# Altium PCB MainMaster20230302.PcbDoc (part 1 of 2) (continued)
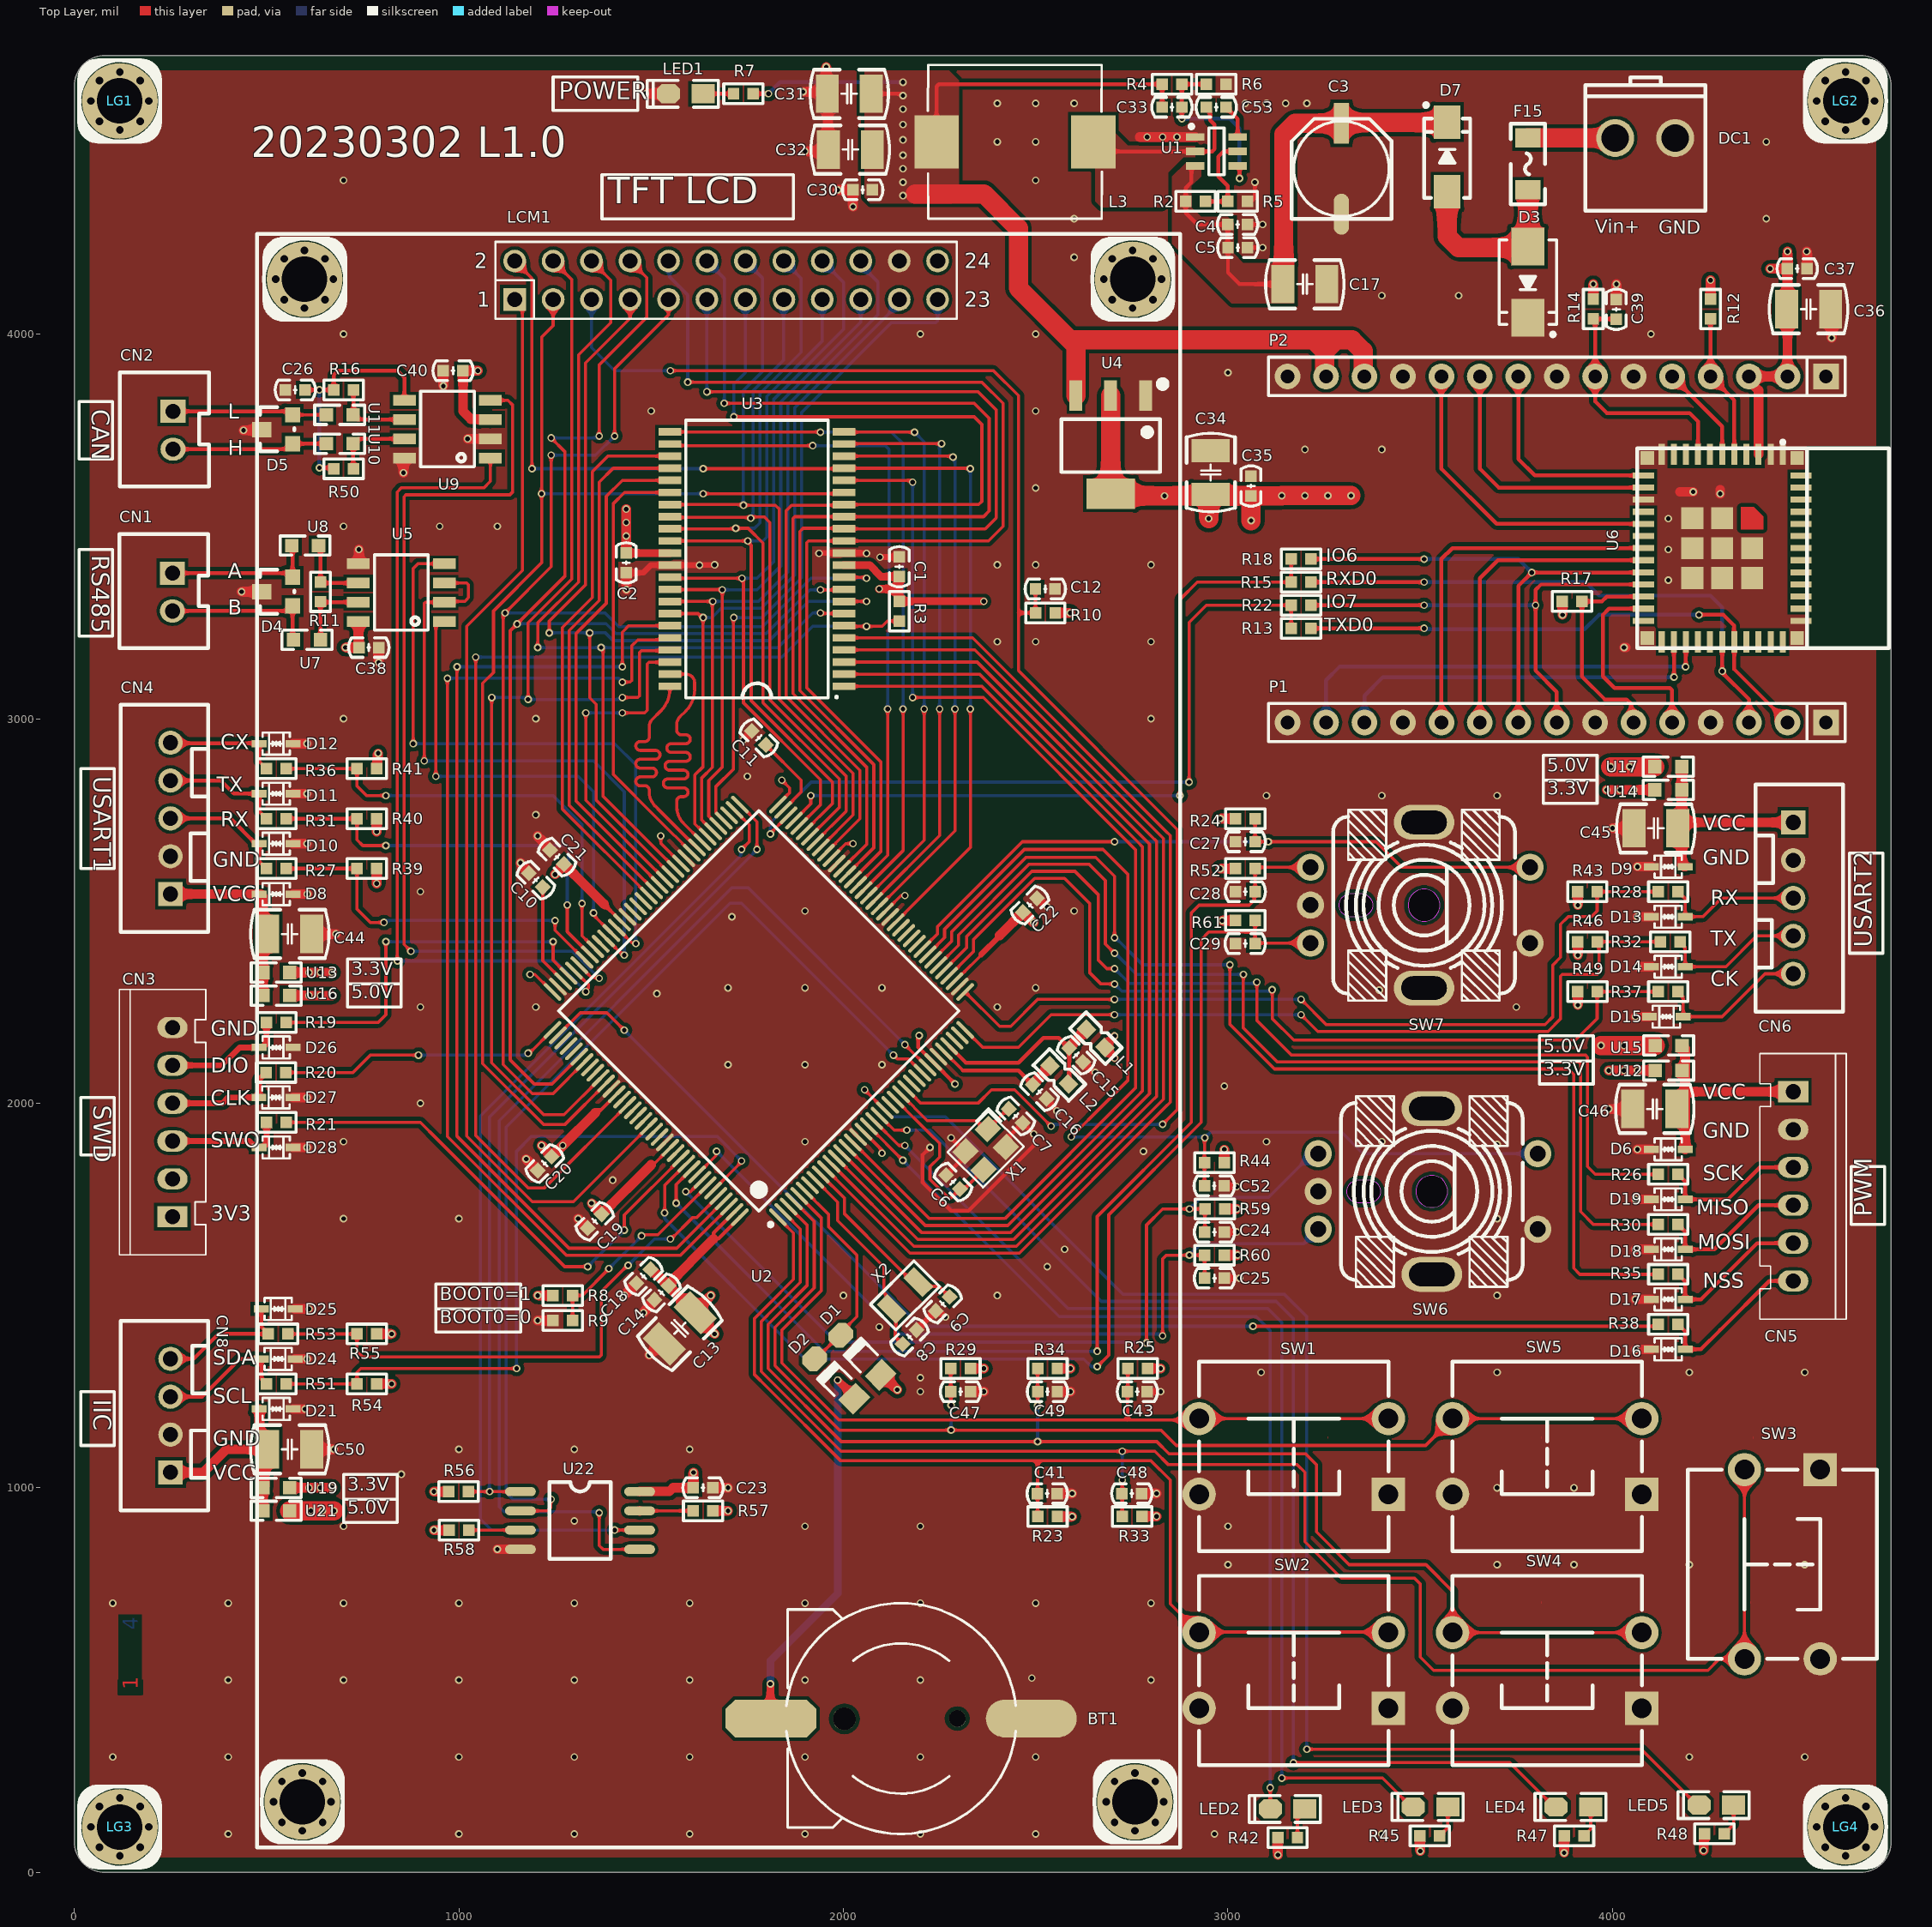
[diagram p0: Top Layer view]
## Footprints (in the part's own frame and the unit in brackets; to place one, negate y for a bottom-side part, rotate by r counter-clockwise, add the part's x,y. Pads: shape width x height; smd on the part's side, far side on the other; paste and mask are expansions set on the pad) (continued)
SMB [mm] "4.7*3.9*2.2mm(长宽高，不包括引脚）"
  rect 2.5x2.2 smd: 1(-2.35,0) 2(2.35,0)
  silkscreen extent -2.8,-1.9 3.57,1.9, body extent -2.63,-1.8 2.67,1.8, height 2.35
SOD-323_L1.8-W1.3-LS2.5-BI [mm]
  rect 0.985x0.49 smd mask+0.051: 1(-1.118,0) 2(1.118,0)
  silkscreen extent -0.9,-0.73 0.9,0.73, body extent -1.24,-0.63 1.24,0.62, height 0.88
SOIC8 [mil]
  oval 80x24 smd: 1(-155,75) 2(-155,25) 3(-155,-25) 4(-155,-75) 5(155,-75) 6(155,-25) 7(155,25) 8(155,75)
  silkscreen extent -80,-100 80,100, body extent -167,-106 163,106, height 91
SOP8_SP3485 [mm] "SP3485"
  rect 0.7x1.5 smd: 1(-1.834,-2.841) 2(-0.564,-2.841) 3(0.706,-2.841) 4(1.976,-2.841) 5(1.976,2.841) 6(0.706,2.841) 7(-0.564,2.841) 8(-1.834,2.841)
  silkscreen extent -2.41,-1.78 2.57,1.77, body extent -2.31,-2.92 2.49,2.88, height 1.43
SOP8_TJA1050 [mm] "TJA1050"
  rect 0.7x1.5 smd: 1(-1.834,-2.841) 2(-0.564,-2.841) 3(0.706,-2.841) 4(1.976,-2.841) 5(1.976,2.841) 6(0.706,2.841) 7(-0.564,2.841) 8(-1.834,2.841)
  silkscreen extent -2.41,-1.78 2.57,1.77, body extent -2.31,-2.92 2.49,2.88, height 1.47
SOT23-6 [mm] "3x1.6x1.1mm(长宽高)"
  rect 0.5x1.2 smd: 1(-0.95,-1.4) 2(0,-1.4) 3(0.95,-1.4) 4(0.95,1.4) 5(0,1.4) 6(-0.95,1.4)
  silkscreen extent -1.78,-1.78 1.55,0.51, body extent -1.5,-1.4 1.5,1.4, height 1.15
SOT223 [mm] "6.4x7x1.6mm(长宽高)"
  rect 0.85x2 smd: 1(-2.3,-3.302) 2(0,-3.302) 3(2.3,-3.302)
  rect 3.2x2 smd: 2(0,3.175)
  silkscreen extent -3.63,-4.26 3.25,1.75, body extent -3.25,-3.51 3.25,3.51, height 1.65
SOT-23 [mil]
  rect 40x40 smd: 1(4.88,0.63) 2(79.88,0.63)
  rect 40x50 smd: 3(41.88,80.63)
  silkscreen extent -15,-4 100,86, body extent -15,-11 99,99, height 47
STM32F407ZET6_TQFP144 [mm]
  oval 0.25x1.55 smd: 1(-8.75,-10.525) 2(-8.25,-10.525) 3(-7.75,-10.525) 4(-7.25,-10.525) 5(-6.75,-10.525) 6(-6.25,-10.525) 7(-5.75,-10.525) 8(-5.25,-10.525) 9(-4.75,-10.525) 10(-4.25,-10.525) 11(-3.75,-10.525) 12(-3.25,-10.525) 13(-2.75,-10.525) 14(-2.25,-10.525) 15(-1.75,-10.525) 16(-1.25,-10.525) 17(-0.75,-10.525) 18(-0.25,-10.525) 19(0.25,-10.525) 20(0.75,-10.525) 21(1.25,-10.525) 22(1.75,-10.525) 23(2.25,-10.525) 24(2.75,-10.525) 25(3.25,-10.525) 26(3.75,-10.525) 27(4.25,-10.525) 28(4.75,-10.525) 29(5.25,-10.525) 30(5.75,-10.525) 31(6.25,-10.525) 32(6.75,-10.525) 33(7.25,-10.525) 34(7.75,-10.525) 35(8.25,-10.525) 36(8.75,-10.525) 73(8.75,10.525) 74(8.25,10.525) 75(7.75,10.525) 76(7.25,10.525) 77(6.75,10.525) 78(6.25,10.525) 79(5.75,10.525) 80(5.25,10.525) 81(4.75,10.525) 82(4.25,10.525) 83(3.75,10.525) 84(3.25,10.525) 85(2.75,10.525) 86(2.25,10.525) 87(1.75,10.525) 88(1.25,10.525) 89(0.75,10.525) 90(0.25,10.525) 91(-0.25,10.525) 92(-0.75,10.525) 93(-1.25,10.525) 94(-1.75,10.525) 95(-2.25,10.525) 96(-2.75,10.525) 97(-3.25,10.525) 98(-3.75,10.525) 99(-4.25,10.525) 100(-4.75,10.525) 101(-5.25,10.525) 102(-5.75,10.525) 103(-6.25,10.525) 104(-6.75,10.525) 105(-7.25,10.525) 106(-7.75,10.525) 107(-8.25,10.525) 108(-8.75,10.525)
  oval 1.55x0.25 smd: 37(10.525,-8.75) 38(10.525,-8.25) 39(10.525,-7.75) 40(10.525,-7.25) 41(10.525,-6.75) 42(10.525,-6.25) 43(10.525,-5.75) 44(10.525,-5.25) 45(10.525,-4.75) 46(10.525,-4.25) 47(10.525,-3.75) 48(10.525,-3.25) 49(10.525,-2.75) 50(10.525,-2.25) 51(10.525,-1.75) 52(10.525,-1.25) 53(10.525,-0.75) 54(10.525,-0.25) 55(10.525,0.25) 56(10.525,0.75) 57(10.525,1.25) 58(10.525,1.75) 59(10.525,2.25) 60(10.525,2.75) 61(10.525,3.25) 62(10.525,3.75) 63(10.525,4.25) 64(10.525,4.75) 65(10.525,5.25) 66(10.525,5.75) 67(10.525,6.25) 68(10.525,6.75) 69(10.525,7.25) 70(10.525,7.75) 71(10.525,8.25) 72(10.525,8.75) 109(-10.525,8.75) 110(-10.525,8.25) 111(-10.525,7.75) 112(-10.525,7.25) 113(-10.525,6.75) 114(-10.525,6.25) 115(-10.525,5.75) 116(-10.525,5.25) 117(-10.525,4.75) 118(-10.525,4.25) 119(-10.525,3.75) 120(-10.525,3.25) 121(-10.525,2.75) 122(-10.525,2.25) 123(-10.525,1.75) 124(-10.525,1.25) 125(-10.525,0.75) 126(-10.525,0.25) 127(-10.525,-0.25) 128(-10.525,-0.75) 129(-10.525,-1.25) 130(-10.525,-1.75) 131(-10.525,-2.25) 132(-10.525,-2.75) 133(-10.525,-3.25) 134(-10.525,-3.75) 135(-10.525,-4.25) 136(-10.525,-4.75) 137(-10.525,-5.25) 138(-10.525,-5.75) 139(-10.525,-6.25) 140(-10.525,-6.75) 141(-10.525,-7.25) 142(-10.525,-7.75) 143(-10.525,-8.25) 144(-10.525,-8.75)
  silkscreen extent -9.55,-10.65 9.35,9.35, body extent -11.07,-11.1 11.13,11.1, height 1.63
SW-TH_EC11K1524406 [mm]
  round 1.8 hole 1.05 mask+0.051: A(-2.5,-7.25) B(2.5,-7.25) C(-0.001,-7.25) D(-2.5,7.25) E(2.5,7.25)
  oval 2.3x4 hole 1.55 slot 3 at 90 deg copper offset 0,0 mask+0.051: MH1(-5.475,0.25)
  oval 2.3x4 hole 1.55 slot 3 at 90 deg mask+0.051: MH2(5.475,0.25)
  Keep-Out Layer board cut-out: 0.775,-4.575 0.775,-4.677 0.722,-4.874 0.62,-5.051 0.476,-5.195 0.299,-5.297 0.102,-5.35 -0.102,-5.35 -0.299,-5.297 -0.476,-5.195 -0.62,-5.051 -0.722,-4.874 -0.775,-4.677 -0.775,-4.575 -0.775,-4.575 -0.775,-3.925 -0.775,-3.823 -0.722,-3.626 -0.62,-3.449 -0.476,-3.305 -0.299,-3.203 -0.102,-3.15 0.102,-3.15 0.299,-3.203 0.476,-3.305 0.62,-3.449 0.722,-3.626 0.775,-3.823 0.775,-3.925 0.775,-3.925 0.775,-4.575
  Keep-Out Layer board cut-out: 1.05,0.25 1.05,0.388 0.978,0.655 0.84,0.895 0.645,1.09 0.405,1.228 0.138,1.3 -0.138,1.3 -0.405,1.228 -0.645,1.09 -0.84,0.895 -0.979,0.655 -1.05,0.388 -1.05,0.25 -1.05,0.112 -0.979,-0.155 -0.84,-0.395 -0.645,-0.59 -0.405,-0.728 -0.138,-0.8 0.138,-0.8 0.405,-0.728 0.645,-0.59 0.84,-0.395 0.978,-0.155 1.05,0.112 1.05,0.25 1.05,0.25
  silkscreen extent -6.3,-5.75 6.3,6.25, body extent -5.86,-7.48 5.86,7.47, height 24.5
"TSW DIP-12*12*7" [mm] "12*12*7mm"
  rect 2.2x2.2 hole 1.3: 1(-6.25,2.5)
  round 2.2 hole 1.3: 2(6.25,2.5) 3(6.25,-2.5) 4(-6.25,-2.5)
  silkscreen extent -6.25,-6.25 6.25,6.25, body extent -6.9,-6 6.9,6, height 7.15
WIFIM-SMD_ESP32-C3-MINI-1 [mm]
  rect 1.4x0.4 smd mask+0.05: 1(-6.2,4) 2(-6.2,3.2) 3(-6.2,2.4) 4(-6.2,1.6) 5(-6.2,0.8) 6(-6.2,0) 7(-6.2,-0.8) 8(-6.2,-1.6) 9(-6.2,-2.4) 10(-6.2,-3.2) 11(-6.2,-4) 25(6.2,-4) 26(6.2,-3.2) 27(6.2,-2.4) 28(6.2,-1.6) 29(6.2,-0.8) 30(6.2,0) 31(6.2,0.8) 32(6.2,1.6) 33(6.2,2.4) 34(6.2,3.2) 35(6.2,4)
  rect 0.4x1.4 smd mask+0.05: 12(-4.8,-5.2) 13(-4,-5.2) 14(-3.2,-5.2) 15(-2.4,-5.2) 16(-1.6,-5.2) 17(-0.8,-5.2) 18(0,-5.2) 19(0.8,-5.2) 20(1.6,-5.2) 21(2.4,-5.2) 22(3.2,-5.2) 23(4,-5.2) 24(4.8,-5.2) 36(4.8,5.2) 37(4,5.2) 38(3.2,5.2) 39(2.4,5.2) 40(1.6,5.2) 41(0.8,5.2) 42(0,5.2) 43(-0.8,5.2) 44(-1.6,5.2) 45(-2.4,5.2) 46(-3.2,5.2) 47(-4,5.2) 48(-4.8,5.2)
  rect 1.45x1.45 smd mask+0.05: 49(-1.975,0) 49(-1.975,-1.975) 49(0,1.975) 49(0,0) 49(0,-1.975) 49(1.975,1.975) 49(1.975,0) 49(1.975,-1.975)
  rect 0.9x0.9 smd mask+0.05: 50(5.95,4.95) 51(5.95,-4.95) 52(-5.95,-4.95) 53(-5.95,4.95)
  Top Layer region: -2.7,2.1 -2.1,2.7 -1.25,2.7 -1.25,1.25 -2.7,1.25 -2.7,2.1
  silkscreen extent -7.1,-5.6 6.6,11, body extent -6.6,-5.59 6.6,11.01, height 2.4
XH2.5-2 [mil]
  rect 60x65 hole 39.37: 1(49.21,0)
  oval 60x65 hole 39.37: 2(-49.21,0)
  silkscreen extent -146,-93 151,138, body extent -147,-94 148,142, height 276
XH2.5-4P [mm]
  rect 1.6x1.6 hole 1: 1(-7.5,0)
  round 1.6 hole 1: 2(-5,0) 3(-2.5,0) 4(0,0)
  silkscreen extent -10,-2.5 2.5,3.3, body extent -9.93,-2.37 2.47,3.38, height 7
XH2.5-5P [mm]
  rect 1.6x1.6 hole 1: 1(-10,0)
  round 1.6 hole 1: 2(-7.5,0) 3(-5,0) 4(-2.5,0) 5(0,0)
  silkscreen extent -12.5,-2.5 2.5,3.3, body extent -12.52,-2.36 2.51,3.39, height 7
XH2.5-6P [mm]
  rect 1.4x2 hole 1: 1(0,0)
  oval 1.4x2 hole 1: 2(2.5,0) 3(5,0) 4(7.5,0) 5(10,0) 6(12.5,0)
  silkscreen extent -2.52,-2.2 15.02,3.5, body extent -2.5,-2.25 15,3.45, height 7

## Part data
BT1: JLCPCB Part Class="Extended Part", LCSC Part Name="电池底座 适用电池:CR1220 自吸", Manufacturer=Q&J, Operating Temperature Range=-25℃~+85℃, Add into BOM=yes, Battery Type=CR1220, Connector Type=电池底座, Convert to PCB=yes, Datasheet=https://atta.szlcsc.com/upload/public/pdf/source/20210107/C969906_C1D85B5C66CBBA4D1AEB8467FE1CEC7A.pdf, Device=CR1220-2ZX, Manufacturer Part=CR1220-2ZX, Name=CR1220-2ZX, Supplier=LCSC, Supplier Footprint=SMD, Supplier Part=C969906, Symbol=CR1220-2ZX
C1 C2 C4 C5 C12 C14 C15 C16 C18 C19 C20 C21 C22 C23 C24 C25 C27 C28 C29 C30 C35 C37 C38 C39 C40 C41 C43 C47 C48 C49 C52 C53: JLCPCB Part Class="Basic Part", LCSC Part Name="100nF ±10% 50V", Manufacturer=YAGEO(国巨), Temperature Coefficient=X7R, Tolerance=±10%, Voltage Rated=50V, Add into BOM=yes, Convert to PCB=yes, Datasheet=https://atta.szlcsc.com/upload/public/pdf/source/20170116/1484561234239.pdf, Device=CC0603KRX7R9BB104, Manufacturer Part=CC0603KRX7R9BB104, Name=100nF, Supplier=LCSC, Supplier Footprint=0603, Supplier Part=C14663, Symbol=CC0603KRX7R9BB104
C3: Equivalent Series Resistance(ESR)=-, JLCPCB Part Class="Extended Part", LCSC Part Name="100uF ±20% 35V", Lifetime @ Temp=1000hrs@105℃, Manufacturer=lelon(立隆), Operating Temperature=-45℃~+105℃, Rated Voltage=35V, Tolerance=±20%, Add into BOM=yes, Convert to PCB=yes, Datasheet=https://atta.szlcsc.com/upload/public/pdf/source/20171023/C134792_15087477404271052916.pdf, Device=VES101M1VTR-0607, L=7.7mm, Manufacturer Part=VES101M1VTR-0607, Name=100uF, Ripple Current=-, Supplier=LCSC, Supplier Footprint=SMD,6.3x7.7mm, Supplier Part=C134792, Symbol=VES101M1VTR-0607, φD=6.3mm
C6 C7: JLCPCB Part Class="Extended Part", LCSC Part Name="20pF ±5% 50V", Manufacturer=YAGEO(国巨), Temperature Coefficient=NP0, Tolerance=±5%, Voltage Rated=50V, Add into BOM=yes, Convert to PCB=yes, Datasheet=https://atta.szlcsc.com/upload/public/pdf/source/20170425/1493115771885.pdf, Device=CC0603JRNPO9BN200, Manufacturer Part=CC0603JRNPO9BN200, Name=20pF, Supplier=LCSC, Supplier Footprint=0603, Supplier Part=C105621, Symbol=CC0603JRNPO9BN200
C8 C9: JLCPCB Part Class="Extended Part", LCSC Part Name="12.5pF ±5% 50V", Manufacturer=YAGEO(国巨), Temperature Coefficient=NP0, Tolerance=±5%, Voltage Rated=50V, Add into BOM=yes, Convert to PCB=yes, Datasheet=https://atta.szlcsc.com/upload/public/pdf/source/20170425/1493115771885.pdf, Device=CC0603JRNPO9BN200, Manufacturer Part=CC0603JRNPO9BN200, Name=12.5pF, Supplier=LCSC, Supplier Footprint=0603, Supplier Part=C105621, Symbol=CC0603JRNPO9BN200
C10 C11: JLCPCB Part Class="Extended Part", LCSC Part Name="2.2uF ±10% 25V", Manufacturer=SAMSUNG(三星), Temperature Coefficient=X5R, Tolerance=±10%, Voltage Rated=25V, Add into BOM=yes, Convert to PCB=yes, Datasheet=https://atta.szlcsc.com/upload/public/pdf/source/20170325/1490427872398.pdf, Device=CL10A225KA8NNNC, Manufacturer Part=CL10A225KA8NNNC, Name=2.2uF, Supplier=LCSC, Supplier Footprint=0603, Supplier Part=C57895, Symbol=CL10A225KA8NNNC
C13 C17 C31 C32 C34 C36 C44 C45 C46 C50: JLCPCB Part Class="Basic Part", LCSC Part Name="22uF ±10% 25V", Manufacturer=YAGEO(国巨), Temperature Coefficient=X7R, Tolerance=±10%, Voltage Rated=50V, Add into BOM=yes, Convert to PCB=yes, Datasheet=https://atta.szlcsc.com/upload/public/pdf/source/20170116/1484561234239.pdf, Device=CC0603KRX7R9BB104, Manufacturer Part=CC0603KRX7R9BB104, Supplier=LCSC, Supplier Footprint=0603, Supplier Part=C14663, Symbol=CC0603KRX7R9BB104
  C13 C44 C45 C46 C50: Name=22uF
  C17 C31 C32 C34 C36: Name=100nF
C26: JLCPCB Part Class="Basic Part", LCSC Part Name="10nF ±10% 50V", Manufacturer=YAGEO(国巨), Temperature Coefficient=X7R, Tolerance=±10%, Voltage Rated=50V, Add into BOM=yes, Convert to PCB=yes, Datasheet=https://atta.szlcsc.com/upload/public/pdf/source/20170116/1484561234239.pdf, Device=CC0603KRX7R9BB104, Manufacturer Part=CC0603KRX7R9BB104, Name=100nF, Supplier=LCSC, Supplier Footprint=0603, Supplier Part=C14663, Symbol=CC0603KRX7R9BB104
C33: JLCPCB Part Class="Basic Part", LCSC Part Name="75pF ±10% 50V", Manufacturer=YAGEO(国巨), Temperature Coefficient=X7R, Tolerance=±10%, Voltage Rated=50V, Add into BOM=yes, Convert to PCB=yes, Datasheet=https://atta.szlcsc.com/upload/public/pdf/source/20170116/1484561234239.pdf, Device=CC0603KRX7R9BB104, Manufacturer Part=CC0603KRX7R9BB104, Name=100nF, Supplier=LCSC, Supplier Footprint=0603, Supplier Part=C14663, Symbol=CC0603KRX7R9BB104
CN1 CN2: JLCPCB Part Class="Extended Part", LCSC Part Name=XH-2A,2P,脚距2.5mm,直插, Manufacturer=BOOMELE(博穆精密), Manufacturer Part=XH-2A, Add into BOM=yes, Contact Material=-, Convert to PCB=yes, Datasheet=https://atta.szlcsc.com/upload/public/pdf/source/20151225/1457707654857.pdf, Device=XH-2A_C20079, Mounting Style=-, Name=XH-2A, Number of PINs Per Row=2, Number of Rows=1, Pins Structure=1x2P, Pitch=2.5mm, Reference Series=XH, Row Spacing=-, Supplier=LCSC, Supplier Footprint=插件,P=2.5mm, Supplier Part=C20079, Symbol=XH-2A
CN3 CN5: JLCPCB Part Class="Extended Part", LCSC Part Name="XH-6A,6P,脚距2.5mm,直插 直插", Manufacturer=BOOMELE(博穆精密), Add into BOM=yes, Contact Material=-, Convert to PCB=yes, Datasheet=https://atta.szlcsc.com/upload/public/pdf/source/20151222/1457707648819.pdf, Device=XH-6A, Manufacturer Part=XH-6A, Mounting Style=-, Name=XH-6A, Number of PINs Per Row=6, Number of Rows=1, Pins Structure=1x6P, Pitch=2.5mm, Reference Series=XH, Row Spacing=-, Supplier=LCSC, Supplier Footprint=插件,P=2.5mm, Supplier Part=C5663, Symbol=XH-6A
CN4 CN6: JLCPCB Part Class="Extended Part", LCSC Part Name=XH-5A,5P,脚距2.5mm,直插, Manufacturer=BOOMELE(博穆精密), Add into BOM=yes, Contact Material=-, Convert to PCB=yes, Datasheet=https://atta.szlcsc.com/upload/public/pdf/source/20151222/1457707640907.pdf, Device=XH-5A, Manufacturer Part=XH-5A, Mounting Style=-, Name=XH-5A, Number of PINs Per Row=5, Number of Rows=1, Pins Structure=1x5P, Pitch=2.5mm, Reference Series=XH, Row Spacing=-, Supplier=LCSC, Supplier Footprint=插件,P=2.5mm, Supplier Part=C2318, Symbol=XH-5A
CN8: JLCPCB Part Class="Extended Part", LCSC Part Name="XH-4A,4P,脚距2.5mm,直插 直插", Manufacturer=BOOMELE(博穆精密), Add into BOM=yes, Contact Material=磷青铜, Convert to PCB=yes, Datasheet=https://atta.szlcsc.com/upload/public/pdf/source/20170919/C37815_1505787307039977083.pdf, Device=XH-4A, Manufacturer Part=XH-4A, Mounting Style=-, Name=XH-4A, Number of PINs Per Row=4, Number of Rows=1, Pins Structure=1x4P, Pitch=2.5mm, Reference Series=XH, Row Spacing=-, Supplier=LCSC, Supplier Footprint=插件,P=2.5mm, Supplier Part=C37815, Symbol=XH-4A
D1 D2: Average Rectified Current (Io)=200mA, Forward Voltage (Vf@If)=1V@10mA, JLCPCB Part Class="Extended Part", LCSC Part Name=LL4148, Manufacturer=onsemi(安森美), Operating Temperature=-55℃~+175℃@(Tj), Power Dissipation=500mW, Reverse Leakage Current=25nA@20V, Reverse Voltage (Vr)=100V, Add into BOM=yes, Convert to PCB=yes, Datasheet=https://atta.szlcsc.com/upload/public/pdf/source/20171014/C84135_15079757806671038559.pdf, Device=LL4148_C84135, Diode Configuration=-, Manufacturer Part=LL4148, Name=LL4148, Reverse Recovery Time (trr)=4ns, Supplier=LCSC, Supplier Footprint=SOD-80, Supplier Part=C84135, Symbol=LL4148_C84135
D3: library part SMBJ24CA_C78416, Breakdown Voltage (Min)=26.7V, JLCPCB Part Class="Extended Part", LCSC Part Name="双向 Vrwm:24V", Manufacturer=Brightking(君耀电子), Maximum Clamping Voltage=38.9V, Peak Pulse Current (Ipp)@10/1000μs=15.5A, Reverse Stand-Off Voltage (Vrwm)=24V, Add into BOM=yes, Convert to PCB=yes, Datasheet=https://atta.szlcsc.com/upload/public/pdf/source/20160709/1468031885392.pdf, Device=SMBJ24CA_C78416, Manufacturer Part=SMBJ24CA, Name=SMBJ24CA, Polarity=双向, Supplier=LCSC, Supplier Footprint=SMB(DO-214AA), Supplier Part=C78416, Symbol=SMBJ24CA_C78416
D4 D5: JLCPCB Part Class="Extended Part", Manufacturer=onsemi(安森美), Add into BOM=yes, Convert to PCB=yes, Datasheet=https://atta.szlcsc.com/upload/public/pdf/source/20180829/C233494_96D7515346DCD494B58AEC5F0195E5EF.pdf, Device=SZNUP2105LT1G, LCSC Part Name=SZNUP2105LT1G, Manufacturer Part=SZNUP2105LT1G, Name=SZNUP2105LT1G, Supplier=LCSC, Supplier Footprint=SOT-23-3, Supplier Part=C233494, Symbol=SZNUP2105LT1G
D6 D8 D9 D10 D11 D12 D13 D14 D15 D16 D17 D18 D19 D21 D24 D25 D26 D27 D28: library part 09.04.00336, "LXES1UTAA1-157,0402,MURATA", Current - Peak Pulse (10/1000μs)="15A (8/20us)", JLCPCB Part Class="Extended Part", Manufacturer=BORN伯恩半导体, Voltage - Breakdown (Min)=9V, Voltage - Clamping (Max) @ Ipp=27V, Voltage - Reverse Standoff (Typ)="8V (Max)", Add into BOM=yes, Convert to PCB=yes, Datasheet=https://atta.szlcsc.com/upload/public/pdf/source/20181015/C314256_034D87A5331B49D4E86F2A48D2519FC5.pdf, Device=GBLC08C-N, LCSC Part Name=GBLC08C-N, Manufacturer Part=GBLC08C-N, Name=GBLC08C-N, Polarity=Bidirectional, Supplier=LCSC, Supplier Footprint=SOD-323, Supplier Part=C314256, Symbol=GBLC08C-N
D7: library part SS24_C2829443, Average Rectified Current (Io)=2A, Forward Voltage (Vf@If)=550mV@2A, JLCPCB Part Class="Extended Part", LCSC Part Name="40V 2A 550mV@2A", Manufacturer=CJ(江苏长电/长晶), Reverse Leakage Current (Ir)=500uA@40V, Reverse Voltage (Vr)=40V, Add into BOM=yes, Convert to PCB=yes, Datasheet=https://atta.szlcsc.com/upload/public/pdf/source/20211215/D3A84FE1ADED5816729B4A876C7DC644.pdf, Device=SS24_C2829443, Diode Configuration=独立式, Manufacturer Part=SS24, Name=SS24, Supplier=LCSC, Supplier Footprint=SMAG, Supplier Part=C2829443, Symbol=SS24_C2829443
DC1: JLCPCB Part Class="Extended Part", LCSC Part Name="VH 3.96mm 1x2P", Manufacturer=CJT(长江连接器), Add into BOM=yes, Contact Material=黄铜, Convert to PCB=yes, Datasheet=https://atta.szlcsc.com/upload/public/pdf/source/20230105/6EEAD9731438ED12835B23C71AA3398A.pdf, Device=A3963WV-2P, Manufacturer Part=A3963WV-2P, Mounting Style=-, Name=A3963WV-2P, Number of PINs Per Row=2, Number of Rows=1, Pins Structure=1x2P, Pitch=3.96mm, Reference Series=VH, Row Spacing=-, Supplier=LCSC, Supplier Footprint=插件,P=3.96mm, Supplier Part=C239409, Symbol=A3963WV-2P